# Altium PCB UltraZOhm_CarrierBoard.PcbDoc (part 4 of 12)
Units mm, origin at the board's own origin, x right, y up, seen from the top; angles counter-clockwise.
Board outline 350 x 128 mm, 6 copper layers (Top Layer, L02_GND, L03_Sig, L04_Sig, L05_VCC, Bottom Layer), stack 2.021 mm thick; 851 components, 1243 nets, 4332 pads, 2446 vias.
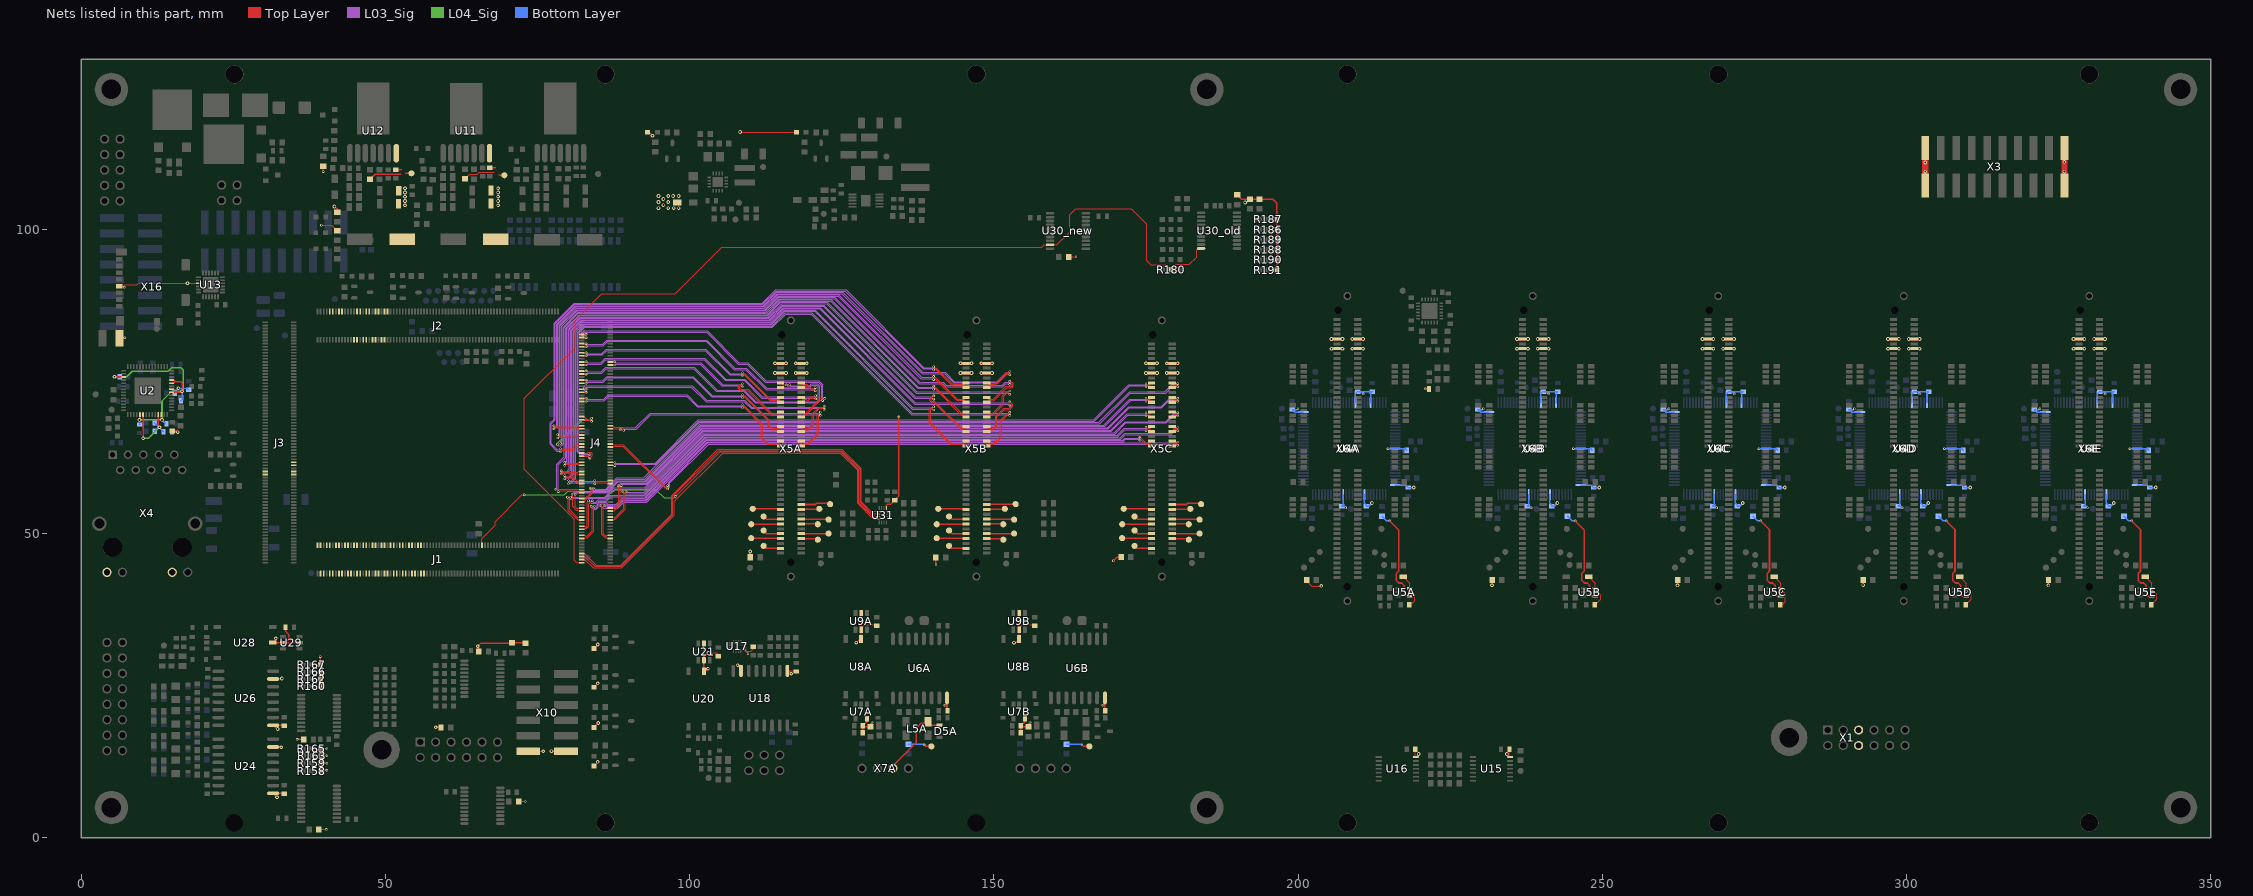
[diagram p8: the nets of this part, all layers, seen from the top]

## Via types
v1: diameter 0.4, hole 0.2, Top Layer to Bottom Layer, tented bottom, 866 vias
v2: diameter 0.4, hole 0.2, Top Layer to Bottom Layer, tented both sides, 783 vias
v3: diameter 0.6, hole 0.3, Top Layer to Bottom Layer, tented both sides, 508 vias
v4: diameter 0.6, hole 0.3, Top Layer to Bottom Layer, tented bottom, 276 vias
v5: diameter 0.5, hole 0.2, Top Layer to Bottom Layer, tented bottom, 5 vias
v6: diameter 0.5, hole 0.3, Top Layer to Bottom Layer, tented bottom, 5 vias
v7: diameter 1, hole 0.5, Top Layer to Bottom Layer, tented bottom, 2 vias
v8: diameter 0.4, hole 0.2, Top Layer to Bottom Layer, 1 vias

## Nets (pads, with @x,y where several pads share a name; then routed paths per layer and width w, separated by ;. In a path a pad name is that pad's centre, name@x,y a point inside that pad or via, vN(x,y) a via of type N, cw(c..) or ccw(c..) an arc to the next point about the centre after c; other vN are vias at no path point) (continued)
3V3_PER: C18.2 C19.1 C20.1 C26A.2 C26B.2 C26C.2 C26D.2 C26E.2 C27A.2 C27B.2 C27C.2 C27D.2 C27E.2 C28A.2 C28B.2 C28C.2 C28D.2 C28E.2 C29A.2 C29B.2 C29C.2 C29D.2 C29E.2 C30A.2 C30B.2 C30C.2 C30D.2 C30E.2 C31A.2 C31B.2 C31C.2 C31D.2 C31E.2 C32A.2 C32B.2 C32C.2 C32D.2 C32E.2 C33A.2 C33B.2 C33C.2 C33D.2 C33E.2 C38A.1 C38B.1 C56.1 C57.1 C58.2 C59.2 C72.2 C75.2 C76.2 C78.1 C79.2 C82.1 C96.2 C98.2 C103.1 C111.2 D4A.2 D4B.2 D4C.2 D4D.2 D4E.2 D16.2 D18.2 D24A.2 D24B.2 D24C.2 D24D.2 L2.2 L4.2 R32.1 R33.1 R35.1 R37.1 R39.1 R41.1 R43.1 R45.1 R86.2 R92.2 R98.2 R102.1 R103.1 R104.2 R149.2 R158.1 R159.1 R160.1 R162.1 R163.3 R165.3 R166.3 R167.3 R178.1 R179.1 R186.3 R187.3 R188.3 R189.3 R190.3 R191.3 R192.2 R211.2 R218.2 R224.2 R225.2 TP70.1 U2.36 U4A.25 U4A.40 U4A.45 U4A.63 U4A.75 U4A.83 U4A.90 U4B.25 U4B.40 U4B.45 U4B.63 U4B.75 U4B.83 U4B.90 U4C.25 U4C.40 U4C.45 U4C.63 U4C.75 U4C.83 U4C.90 U4D.25 U4D.40 U4D.45 U4D.63 U4D.75 U4D.83 U4D.90 U4E.25 U4E.40 U4E.45 U4E.63 U4E.75 U4E.83 U4E.90 U5A.5 U5B.5 U5C.5 U5D.5 U5E.5 U8A.2 U8B.2 U9A.2 U9A.5 U9B.2 U9B.5 U11.7 U13.21 U15.14 U16.14 U17.13 U18.1 U18.7 U20.2 U21.2 U21.5 U24.1 U24.7 U26.1 U26.7 U28.2 U29.2 U29.5 U31.13 X1.5 X1.6 X3.1 X3.10 X3.11 X3.20 X4.11 X4.13 X5A.13 X5A.14 X5B.13 X5B.14 X5C.13 X5C.14 X6A.13 X6A.14 X6B.13 X6B.14 X6C.13 X6C.14 X6D.13 X6D.14 X6E.13 X6E.14 X10.1 X10.7 X16.4 | length 355.3
  Top Layer w0.2: X16.4@6.29,90.692 6.892,90.692 ; C72.2@6.341,82.093 6.807,82.093 6.915,82.2 v2(7.2,82.2) ; v2(7.1,90.5) 6.908,90.692 6.892,90.692 ; U2.36@14.875,73.755 15.855,73.755 v4(16,73.9) ; U13.21@19.325,91.149 v4(17.5,91.149) 9.449,91.149 9.249,90.949 7.149,90.949 6.892,90.692 ; R149.2@39.1,1.4 v1(40.3,1.4) ; v1(39.5,100.7) 41.205,100.7 41.699,100.206 41.699,100.156 42.049,99.806 R92.2@42.099,99.806 ; v2(39.8,109.5) R224.2@39.8,110.4 ; R86.2@63.081,108.295 63.081,108.326 63.835,109.08 65.135,109.08 65.435,109.38 67.935,109.38 ; R225.2@71.9,6 v1(73,6) ; X10.1@73.488,14.25 v3(75.941,14.25) ; v3(77.318,14.275) 77.342,14.25 X10.7@79.711,14.25 ; D24A.2@84.289,11.825 84.9,12.436 v3(84.9,12.5) ; D24B.2@84.289,18.175 84.289,18.189 v3(85,18.9) ; D24C.2@84.289,24.779 84.9,25.39 v3(84.9,25.4) ; D24D.2@84.289,31.129 84.9,31.74 v3(84.9,31.8) ; D16.2@93.105,115.961 93.339,115.961 v4(93.9,115.4) ; U21.2@102.36,29.209 U21.2@102.36,29.66 ; U21.5@102.36,31.959 U21.2@102.36,29.66 ; C82.1@104.72,29.884 104.72,30.18 104.5,30.4 v3(103.1,30.4) U21.2@102.36,29.66 ; v4(108.3,116) 108.339,115.961 D18.2@117.539,115.961 ; v2(109.6,30.3) 109.2,30.7 ; v3(109.982,47.066) 109.999,47.049 R41.1@109.999,46.138 ; C78.1@110.488,31.411 110.488,31.088 110.1,30.7 109.2,30.7 ; U18.1@116.076,27.464 U18.1@116.236,27.464 ; v3(116.7,27) U18.1@116.236,27.464 ; C79.2@117.727,27.344 117.607,27.464 U18.1@116.236,27.464 ; v3(127.4,32.1) 127.996,32.696 U8A.2@128.202,32.696 U9A.2@128.202,34.461 ; U9A.5@128.202,36.967 U9A.2@128.202,34.461 ; C38A.1@130.742,34.892 130.623,35.011 128.753,35.011 U9A.2@128.202,34.461 ; v3(153.3,32.1) 153.558,32.1 U8B.2@154.155,32.696 U9B.2@154.155,34.461 ; U9B.5@154.155,36.967 U9B.2@154.155,34.461 ; C38B.1@156.695,34.892 156.575,35.011 154.705,35.011 U9B.2@154.155,34.461 ; R211.2@162.3,95.5 v1(163.5,95.5) ; R32.1@201.384,42.418 201.384,42.202 202.26,41.326 203.708,41.326 v3(203.81,41.427) ; D4A.2@217.271,42.945 218.355,41.861 v3@218.355,40.53 ; C26A.2@218.263,38.292 218.48,38.292 219.202,39.014 219.202,40.056 218.728,40.53 v3@218.355,40.53 ; v3(218.338,40.513) v3@218.355,40.53 ; C75.2@219.227,14.583 219.227,13.433 U16.14@219.347,13.313 219.347,13.347 v3(219.8,13.8) ; v2(220.9,73.8) 220.917,73.783 L2.2@221.513,73.783 ; v3(231.851,41.529) 231.864,41.542 R33.1@231.864,42.418 ; v3(234.3,13.8) 234.355,13.8 U15.14@234.721,13.433 ; C76.2@234.721,14.583 U15.14@234.721,13.433 ; U15.14@234.841,13.313 U15.14@234.721,13.433 ; D4B.2@247.751,42.945 248.835,41.861 v3@248.835,40.547 ; C26B.2@248.743,38.292 248.807,38.292 249.707,39.192 249.707,40.005 249.165,40.547 v3@248.835,40.547 ; v3(248.869,40.513) v3@248.835,40.547 ; v4(262.331,41.504) 262.344,41.516 R35.1@262.344,42.418 ; D4C.2@278.231,42.945 279.315,41.861 U5C.5@279.315,41.028 279.375,40.968 v3(279.375,40.564) 279.629,40.564 280.086,40.107 280.086,38.811 279.567,38.292 C26C.2@279.223,38.292 ; R37.1@292.824,42.418 292.824,41.567 v3(292.837,41.554) ; D4D.2@308.711,42.945 309.795,41.861 v3@309.795,40.547 ; C26D.2@309.703,38.292 310.617,39.206 310.617,40.056 310.125,40.547 v3@309.795,40.547 ; v3(309.804,40.538) v3@309.795,40.547 ; v3(323.291,41.504) 323.304,41.516 R39.1@323.304,42.418 ; D4E.2@339.191,42.945 340.275,41.861 340.275,40.53 v3(340.258,40.513) 340.639,40.513 341.097,40.056 341.097,39.206 C26E.2@340.183,38.292 ; 109.2,30.7 109.027,30.873 U17.13@108.996,30.873 109.169,30.7 109.2,30.7
  Top Layer w0.254: C18.2@14.999,66.912 15.688,66.912 v3(15.9,66.7) ; U24.7@31.566,14.959 32.841,14.959 v3(32.9,14.9) ; U26.7@31.566,26.135 32.935,26.135 v3(33,26.2) ; v4(32,32.8) 32,32.581 U28.2@31.509,32.091 U29.2@33.182,32.091 U29.2@33.541,32.091 ; v3(32.2,6.7) 32.2,6.705 U24.1@31.566,7.339 33.351,7.339 C96.2@33.416,7.274 ; v3(32.3,17.9) 32.181,17.9 U26.1@31.566,18.515 33.351,18.515 C98.2@33.416,18.45 ; C103.1@33.603,34.631 33.603,33.972 34.125,33.45 34.125,32.675 U29.2@33.541,32.091 ; v1(35.5,16.2) R218.2@36.6,16.2 ; U29.5@35.932,32.091 U29.2@33.541,32.091 ; v1(39.3,29.8) 39.325,29.775 R167.3@39.325,28.5 R166.3@39.325,27.3 39.325,24.984 R160.1@39.375,24.933 ; R163.3@39.325,13.5 v1(40.4,13.5) ; R165.3@39.325,14.7 v1(40.4,14.7) ; R158.1@39.375,11.1 v1(40.4,11.1) ; R159.1@39.375,12.267 v1(40.4,12.267) ; v3(58.3,18.2) 58.323,18.177 R98.2@59.149,18.177 ; R104.2@65.356,30.619 65.356,31.344 v3(65.2,31.5) 65.725,32.025 70.8,32.025 R102.1@70.825,32.05 72.975,32.05 R103.1@73.025,32 ; C57.1@67.171,110.125 67.98,110.125 68.035,110.18 ; 68.735,108.98 68.815,108.9 TP70.1@69.569,108.9 ; U21.2@102.36,29.209 U20.2@102.36,27.409 102.609,27.409 v3(103,27.8) ; v3(107.887,28.387) 108.013,28.387 108.456,27.944 U18.7@108.456,27.464 ; U31.13@132.35,54.21 132.35,54.664 132.499,54.813 133.009,54.813 C111.2@133.68,55.485 133.78,55.485 134.003,55.708 134.003,55.808 134.406,56.21 134.406,69.175 v1(134.391,69.19) ; R43.1@140.481,46.101 140.481,44.913 v1(140.487,44.907) ; v1(169.647,45.568) 170.228,46.149 170.857,46.149 R45.1@170.911,46.203 ; R192.2@190.001,105.661 190.691,104.972 R178.1@192.112,104.972 ; v3(191.286,104.428) 191.568,104.428 R178.1@192.112,104.972 ; R191.3@196.51,93.328 196.469,93.369 196.469,104.343 195.841,104.972 R179.1@193.636,104.972 R178.1@192.112,104.972
  Top Layer w0.5: v3(114.04,76.4) X5A.13@114.94,76.4 v3(115.84,76.4) ; v3(117.44,76.4) X5A.14@118.34,76.4 v3(119.24,76.4) ; v3(144.52,76.4) v3(146.32,76.4) ; v3(147.92,76.4) v3(149.72,76.4) ; v3(175,76.4) v3(176.8,76.4) ; v3(178.4,76.4) v3(180.2,76.4) ; v3(205.48,80.4) v3(207.28,80.4) ; v3(208.88,80.4) v3(210.68,80.4) ; v3(235.96,80.4) v3(237.76,80.4) ; v3(239.36,80.4) v3(241.16,80.4) ; v3(266.44,80.4) v3(268.24,80.4) ; v3(269.84,80.4) v3(271.64,80.4) ; v3(296.92,80.4) v3(298.72,80.4) ; v3(300.32,80.4) v3(302.12,80.4) ; v3(327.4,80.4) v3(329.2,80.4) ; v3(330.8,80.4) v3(332.6,80.4)
  Top Layer w1: X3.11@303.057,107.187 v3(303.057,109.5) v3(303.057,111) X3.1@303.057,113.41 ; X3.20@325.917,107.187 v3(325.917,109.5) X3.10@325.917,113.41
  Bottom Layer w0.2: L4.2@14.973,66.748 15.852,66.748 v3(15.9,66.7) ; C20.1@15.42,73.048 15.42,73.32 v4(16,73.9) 17.409,73.9 C19.1@17.666,73.643
  Bottom Layer w0.254: v1(199.974,70.536) 199.838,70.4 C27A.2@199.009,70.4 199.421,69.988 U4A.25@200.857,69.988 ; U4A.90@207.407,56.438 207.407,54.798 C33A.2@207.137,54.528 207.55,54.528 v2(207.797,54.28) ; U4A.40@209.407,71.538 209.4,71.544 209.4,72.975 C28A.2@209.773,73.348 210.32,73.348 ; v2(210.693,72.974) 210.32,73.348 ; U4A.83@210.907,56.438 210.9,56.431 210.9,55 211.201,54.699 C32A.2@211.201,54.528 211.601,54.528 v3(212.115,55.042) ; U4A.45@211.907,71.538 211.9,71.544 211.9,73.031 C29A.2@212.217,73.348 210.32,73.348 ; v1(214.757,63.983) 214.762,63.988 217.613,63.988 C30A.2@217.867,63.734 ; U4A.75@215.957,57.988 217.647,57.988 C31A.2@218.059,57.576 218.993,57.576 v4(218.999,57.582) ; v1(230.454,70.536) 230.318,70.4 C27B.2@229.489,70.4 229.901,69.988 U4B.25@231.337,69.988 ; U4B.90@237.887,56.438 237.887,54.798 C33B.2@237.617,54.528 238.03,54.528 v2(238.277,54.28) ; U4B.40@239.887,71.538 239.88,71.544 239.88,72.975 C28B.2@240.253,73.348 240.8,73.348 ; v2(241.173,72.974) 240.8,73.348 ; U4B.83@241.387,56.438 241.38,56.431 241.38,55 241.681,54.699 C32B.2@241.681,54.528 242.081,54.528 v3(242.595,55.042) ; U4B.45@242.387,71.538 242.38,71.544 242.38,73.031 C29B.2@242.697,73.348 240.8,73.348 ; v1(245.237,63.983) 245.242,63.988 248.093,63.988 C30B.2@248.347,63.734 ; U4B.75@246.437,57.988 248.127,57.988 C31B.2@248.539,57.576 249.473,57.576 v4(249.479,57.582) ; v1(260.934,70.536) 260.798,70.4 C27C.2@259.969,70.4 260.381,69.988 U4C.25@261.817,69.988 ; U4C.90@268.367,56.438 268.367,54.798 C33C.2@268.097,54.528 268.51,54.528 v2(268.757,54.28) ; U4C.40@270.367,71.538 270.36,71.544 270.36,72.975 C28C.2@270.733,73.348 271.28,73.348 ; v2(271.653,72.974) 271.28,73.348 ; U4C.83@271.867,56.438 271.86,56.431 271.86,55 272.161,54.699 C32C.2@272.161,54.528 272.561,54.528 v3(273.075,55.042) ; U4C.45@272.867,71.538 272.86,71.544 272.86,73.031 C29C.2@273.177,73.348 271.28,73.348 ; v1(275.717,63.983) 275.722,63.988 278.573,63.988 C30C.2@278.827,63.734 ; U4C.75@276.917,57.988 278.607,57.988 C31C.2@279.019,57.576 279.953,57.576 v4(279.959,57.582) ; v1(291.414,70.536) 291.278,70.4 C27D.2@290.449,70.4 290.861,69.988 U4D.25@292.297,69.988 ; U4D.90@298.847,56.438 298.847,54.798 C33D.2@298.577,54.528 298.99,54.528 v2(299.237,54.28) ; U4D.40@300.847,71.538 300.84,71.544 300.84,72.975 C28D.2@301.213,73.348 301.76,73.348 ; v2(302.133,72.974) 301.76,73.348 ; U4D.83@302.347,56.438 302.34,56.431 302.34,55 302.641,54.699 C32D.2@302.641,54.528 303.041,54.528 v3(303.555,55.042) ; U4D.45@303.347,71.538 303.34,71.544 303.34,73.031 C29D.2@303.657,73.348 301.76,73.348 ; v1(306.197,63.983) 306.202,63.988 309.053,63.988 C30D.2@309.307,63.734 ; U4D.75@307.397,57.988 309.087,57.988 C31D.2@309.499,57.576 310.433,57.576 v4(310.439,57.582) ; v1(321.894,70.536) 321.758,70.4 C27E.2@320.929,70.4 321.341,69.988 U4E.25@322.777,69.988 ; U4E.90@329.327,56.438 329.327,54.798 C33E.2@329.057,54.528 329.47,54.528 v2(329.717,54.28) ; U4E.40@331.327,71.538 331.32,71.544 331.32,72.975 C28E.2@331.693,73.348 332.24,73.348 ; v2(332.613,72.974) 332.24,73.348 ; U4E.83@332.827,56.438 332.82,56.431 332.82,55 333.121,54.699 C32E.2@333.121,54.528 333.521,54.528 v3(334.035,55.042) ; U4E.45@333.827,71.538 333.82,71.544 333.82,73.031 C29E.2@334.137,73.348 332.24,73.348 ; v1(336.677,63.983) 336.682,63.988 339.533,63.988 C30E.2@339.787,63.734 ; U4E.75@337.877,57.988 339.567,57.988 C31E.2@339.979,57.576 340.913,57.576 v4(340.919,57.582)
  other v3: 68.535,103.98 68.535,104.68 68.535,105.38 68.535,106.08 68.535,106.78 325.9,111.1
5V_ISOCANA: C35A.2 C37A.2 C40A.1 R78A.1 R80A.2 TP68A.1 U6A.16 U7A.5 | length 11.2
  Top Layer w0.254: C40A.1@128.461,17.27 C37A.2@128.461,18.415 ; U7A.5@129.152,19.558 129.152,19.106 C37A.2@128.461,18.415 ; v2(129.997,18.974) 129.707,18.684 R80A.2@129.707,18.271 128.605,18.271 C37A.2@128.461,18.415 ; v2(138.532,15.291) 138.768,15.054 TP68A.1@139.739,15.054 ; v2(141.961,21.819) U6A.16@142.299,22.157 ; U6A.16@142.299,23.02 U6A.16@142.299,22.157 ; C35A.2@142.364,20.933 142.299,20.998 U6A.16@142.299,22.157
  Bottom Layer w0.254: R78A.1@135.975,15.437 138.386,15.437 v2(138.532,15.291)
5V_ISOCANB: C35B.2 C37B.2 C40B.1 R78B.1 R80B.2 TP68B.1 U6B.16 U7B.5 | length 11.2
  Top Layer w0.254: C40B.1@154.413,17.271 C37B.2@154.413,18.415 ; U7B.5@155.105,19.558 155.105,19.107 C37B.2@154.413,18.415 ; v2(155.949,18.974) 155.659,18.684 R80B.2@155.659,18.271 154.557,18.271 C37B.2@154.413,18.415 ; v2(164.484,15.291) 164.721,15.054 TP68B.1@165.691,15.054 ; v2(167.913,21.819) U6B.16@168.252,22.158 ; U6B.16@168.252,23.02 U6B.16@168.252,22.158 ; C35B.2@168.317,20.933 168.252,20.998 U6B.16@168.252,22.158
  Bottom Layer w0.254: R78B.1@161.927,15.437 164.338,15.437 v2(164.484,15.291)
5V_PER: C66.1 C67.1 C68.2 C69.2 L9.1 R90.2 R93.2 TP71.1 U12.7 X5A.9 X5A.10 X5B.9 X5B.10 X5C.9 X5C.10 X6A.9 X6A.10 X6B.9 X6B.10 X6C.9 X6C.10 X6D.9 X6D.10 X6E.9 X6E.10 | length 37.3
  Top Layer w0.254: v4(41.635,103.78) 42.099,103.316 R93.2@42.099,102.854 ; R90.2@47.485,108.213 48.352,109.08 52.535,109.08 ; C67.1@51.681,109.805 52.61,109.805 52.635,109.78 ; 53.335,109.18 53.38,109.225 TP71.1@54.293,109.225
  Top Layer w0.5: v3(114.04,78) X5A.9@114.94,78 v3(115.84,78) ; v3(117.44,78) X5A.10@118.34,78 v3(119.24,78) ; v3(144.52,78) X5B.9@145.42,78 v3(146.32,78) ; v3(147.92,78) X5B.10@148.82,78 v3(149.72,78) ; v3(175,78) X5C.9@175.9,78 v3(176.8,78) ; v3(178.4,78) X5C.10@179.3,78 v3(180.2,78) ; v3(205.48,82) X6A.9@206.38,82 v3(207.28,82) ; v3(208.88,82) X6A.10@209.78,82 v3(210.68,82) ; v3(235.96,82) X6B.9@236.86,82 v3(237.76,82) ; v3(239.36,82) X6B.10@240.26,82 v3(241.16,82) ; v3(266.44,82) X6C.9@267.34,82 v3(268.24,82) ; v3(269.84,82) X6C.10@270.74,82 v3(271.64,82) ; v3(296.92,82) X6D.9@297.82,82 v3(298.72,82) ; v3(300.32,82) X6D.10@301.22,82 v3(302.12,82) ; v3(327.4,82) X6E.9@328.3,82 v3(329.2,82) ; v3(330.8,82) X6E.10@331.7,82 v3(332.6,82)
  other v3: 94.9,103.5 96.5,103.5 97.4,103.5 98.2,103.5 53.235,103.98 95.7,104 94.9,104.5 96.5,104.5 53.235,104.68 95.7,105 53.235,105.38 94.9,105.5 96.5,105.5 97.3,105.5 98.2,105.5 53.235,106.08 53.235,106.78
/PILOT_INA: R73A.1 U5A.4 | length 16.2
  Top Layer w0.254: v1(215.05,52.1) 216.5,50.65 216.5,43.85 216.15,43.5 216.15,42.3 216.55,41.9 217.05,41.9 217.45,41.5 217.45,40.05 217.772,39.728 U5A.4@218.355,39.728
  Bottom Layer w0.254: R73A.1@213.791,52.87 214.56,52.1 v1(215.05,52.1)
/PILOT_INB: R73B.1 U5B.4 | length 16.2
  Top Layer w0.254: v1(245.53,52.1) 246.98,50.65 246.98,43.85 246.63,43.5 246.63,42.3 247.03,41.9 247.53,41.9 247.93,41.5 247.93,40.05 248.252,39.728 U5B.4@248.835,39.728
  Bottom Layer w0.254: R73B.1@244.271,52.87 245.04,52.1 v1(245.53,52.1)
/PILOT_INC: R73C.1 U5C.4 | length 16.2
  Top Layer w0.254: v1(276.01,52.1) 277.46,50.65 277.46,43.85 277.11,43.5 277.11,42.3 277.51,41.9 278.01,41.9 278.41,41.5 278.41,40.05 278.732,39.728 U5C.4@279.315,39.728
  Bottom Layer w0.254: R73C.1@274.751,52.87 275.52,52.1 v1(276.01,52.1)
/PILOT_IND: R73D.1 U5D.4 | length 16.2
  Top Layer w0.254: v1(306.49,52.1) 307.94,50.65 307.94,43.85 307.59,43.5 307.59,42.3 307.99,41.9 308.49,41.9 308.89,41.5 308.89,40.05 309.212,39.728 U5D.4@309.795,39.728
  Bottom Layer w0.254: R73D.1@305.231,52.87 306,52.1 v1(306.49,52.1)
/PILOT_INE: R73E.1 U5E.4 | length 16.2
  Top Layer w0.254: v1(336.97,52.1) 338.42,50.65 338.42,43.85 338.07,43.5 338.07,42.3 338.47,41.9 338.97,41.9 339.37,41.5 339.37,40.05 339.692,39.728 U5E.4@340.275,39.728
  Bottom Layer w0.254: R73E.1@335.711,52.87 336.48,52.1 v1(336.97,52.1)
ANL_01_N1: J4.126 X5A.19 | length 51.5
  Top Layer w0.1: J4.126@82.287,76.236 82.99,76.236 v2(83,76.226) ; X5A.19@114.94,74 115.017,74.077 116.079,74.077 116.459,74.458 v2(116.459,74.524)
  L03_Sig w0.1: v2(83,76.226) 83.15,76.376 85.587,76.376 86.311,77.1 100.7,77.1 104.42,73.38 108.92,73.38 110.82,71.48 121.093,71.48 121.403,71.791 121.403,74.234 120.995,74.642 120,74.642 119.707,74.349 116.634,74.349 v2(116.459,74.524)
ANL_01_N2: J4.80 X5B.19 | length 102.2
  Top Layer w0.1: v1(78.791,63.957) 80.747,63.957 81.525,64.736 J4.80@82.287,64.736 ; v1(140.1,76.93) 140.25,77.08 140.4,77.08 143.18,74.3 145.2,74.3 145.37,74.13 145.37,74.05 X5B.19@145.42,74
  L03_Sig w0.1: v1(78.791,63.957) 78.641,63.807 78.638,63.807 78.635,63.805 78.283,63.805 77.292,64.795 77.292,68.101 77.94,68.749 77.94,84.486 81.134,87.68 112.034,87.68 114.234,89.88 125.62,89.88 138.42,77.08 139.95,77.08 v1(140.1,76.93)
ANL_01_N3: J4.65 X5C.19 | length 94.6
  Top Layer w0.1: J4.65@86.957,61.236 87.664,61.236 v2(87.7,61.2) ; v2(175,74.13) 175.15,74.28 175.62,74.28 X5C.19@175.9,74
  L03_Sig w0.1: v2(87.7,61.2) 87.743,61.2 87.935,61.392 94.457,61.392 101.545,68.48 166.491,68.48 172.291,74.28 174.85,74.28 v2(175,74.13)
ANL_01_P1: J4.128 X5A.17 | length 50.7
  Top Layer w0.1: J4.128@82.287,76.736 82.99,76.736 v2(83,76.746) ; X5A.17@114.94,74.8 115.293,74.447 v2(115.926,74.447)
  L03_Sig w0.1: v2(83,76.746) 83.15,76.596 85.496,76.596 86.22,77.32 100.791,77.32 104.511,73.6 109.011,73.6 110.911,71.7 121.001,71.7 121.183,71.882 121.183,74.143 120.904,74.422 120.091,74.422 119.798,74.129 116.244,74.129 v2(115.926,74.447)
ANL_01_P2: J4.78 X5B.17 | length 102.9
  Top Layer w0.1: v1(78.791,63.437) 78.821,63.437 79.121,63.737 80.838,63.737 81.337,64.236 J4.78@82.287,64.236 ; v1(140.1,77.45) 140.25,77.3 140.491,77.3 143.271,74.52 145.2,74.52 145.37,74.69 145.37,74.75 X5B.17@145.42,74.8
  L03_Sig w0.1: v1(78.791,63.437) 78.643,63.585 78.192,63.585 77.072,64.704 77.072,68.192 77.72,68.84 77.72,84.577 81.043,87.9 111.943,87.9 114.143,90.1 125.711,90.1 138.511,77.3 139.95,77.3 v1(140.1,77.45)
ANL_01_P3: J4.67 X5C.17 | length 94.6
  Top Layer w0.1: J4.67@86.957,61.736 87.664,61.736 v2(87.7,61.7) ; v2(175,74.65) 175.15,74.5 175.6,74.5 X5C.17@175.9,74.8
  L03_Sig w0.1: v2(87.7,61.7) 87.788,61.612 94.366,61.612 101.454,68.7 166.4,68.7 172.2,74.5 174.85,74.5 v2(175,74.65)
ANL_02_N1: J4.144 X5A.20 | length 44.8
  Top Layer w0.1: J4.144@82.287,80.736 82.99,80.736 v2(83,80.726) ; X5A.20@118.34,74 118.581,74.241 119.301,74.241 119.898,73.643 120.5,73.643 v1(120.65,73.493)
  L03_Sig w0.1: v2(83,80.726) 83.15,80.876 85.787,80.876 86.511,81.6 102.7,81.6 107.32,76.98 109.22,76.98 112.557,73.643 120.5,73.643 v1(120.65,73.493)
ANL_02_N2: J4.90 X5B.20 | length 110.1
  Top Layer w0.1: v1(77.7,67.226) 77.85,67.376 81.632,67.376 81.772,67.236 J4.90@82.287,67.236 ; X5B.20@148.82,74 148.87,74.05 148.87,74.07 149.1,74.3 150.12,74.3 152.1,76.28 152.45,76.28 v1(152.6,76.13)
  L03_Sig w0.1: v1(77.7,67.226) 77.85,67.376 77.991,67.376 78.36,67.745 78.36,84.312 81.308,87.26 112.208,87.26 114.408,89.46 125.04,89.46 138.22,76.28 141.909,76.28 143.409,74.78 150.691,74.78 152.191,76.28 152.45,76.28 v1(152.6,76.13)
ANL_02_N3: J4.44 X5C.20 | length 107.7
  Top Layer w0.1: J4.44@82.287,55.736 82.802,55.736 83.8,56.734 83.8,57.35 v1(83.65,57.5) ; X5C.20@179.3,74 179.35,74.05 179.6,74.3 180.05,74.3 v2(180.2,74.15)
  L03_Sig w0.1: v1(83.65,57.5) 83.65,57.497 84.027,57.12 86.3,57.12 88.12,58.94 92.599,58.94 101.719,68.06 167.36,68.06 172.4,73.1 178.211,73.1 179.411,74.3 180.05,74.3 v2(180.2,74.15)
ANL_02_P1: J4.146 X5A.18 | length 44.8
  Top Layer w0.1: J4.146@82.287,81.236 82.99,81.236 v2(83,81.246) ; X5A.18@118.34,74.8 118.566,74.574 119.278,74.574 119.99,73.863 120.5,73.863 v1(120.65,74.013)
  L03_Sig w0.1: v2(83,81.246) 83.15,81.096 85.696,81.096 86.42,81.82 102.791,81.82 107.411,77.2 109.311,77.2 112.648,73.863 120.5,73.863 v1(120.65,74.013)
ANL_02_P2: J4.92 X5B.18 | length 110.1
  Top Layer w0.1: v1(77.7,67.746) 77.85,67.596 81.632,67.596 81.772,67.736 J4.92@82.287,67.736 ; X5B.18@148.82,74.8 148.87,74.75 149.1,74.52 150.029,74.52 152.009,76.5 152.45,76.5 v1(152.6,76.65)
  L03_Sig w0.1: v1(77.7,67.746) 77.85,67.596 77.9,67.596 78.14,67.836 78.14,84.403 81.217,87.48 112.117,87.48 114.317,89.68 125.131,89.68 138.311,76.5 142,76.5 143.5,75 150.6,75 152.1,76.5 152.45,76.5 v1(152.6,76.65)
ANL_02_P3: J4.42 X5C.18 | length 107.6
  Top Layer w0.1: J4.42@82.287,55.236 82.487,55.436 82.813,55.436 84.02,56.643 84.02,57.35 v1(84.17,57.5) ; X5C.18@179.3,74.8 179.58,74.52 180.05,74.52 v2(180.2,74.67)
  L03_Sig w0.1: v1(84.17,57.5) 84.3,57.5 84.46,57.34 86.209,57.34 88.029,59.16 92.508,59.16 101.628,68.28 167.269,68.28 172.309,73.32 178.12,73.32 179.32,74.52 180.05,74.52 v2(180.2,74.67)
ANL_03_N1: J4.138 X5A.25 | length 36.7
  Top Layer w0.1: J4.138@82.287,79.236 82.99,79.236 v2(83,79.226) ; v1(108.7,75.93) 108.85,76.08 109,76.08 113.18,71.9 114.7,71.9 114.89,71.71 114.89,71.65 X5A.25@114.94,71.6
  L03_Sig w0.1: v2(83,79.226) 83.15,79.376 85.687,79.376 86.411,80.1 102.6,80.1 106.62,76.08 108.55,76.08 v1(108.7,75.93)
ANL_03_N2: J4.84 X5B.25 | length 98.8
  Top Layer w0.1: v1(78.3,65.726) 78.45,65.876 81.632,65.876 81.772,65.736 J4.84@82.287,65.736 ; v1(140.1,75.33) 140.25,75.48 140.3,75.48 143.88,71.9 145.12,71.9 X5B.25@145.42,71.6
  L03_Sig w0.1: v1(78.3,65.726) 78.45,65.876 78.591,65.876 78.78,66.065 78.78,84.138 81.482,86.84 112.382,86.84 114.582,89.04 124.46,89.04 138.02,75.48 139.95,75.48 v1(140.1,75.33)
ANL_03_N3: J4.38 X5C.25 | length 104.7
  Top Layer w0.1: v1(81.2,56.5) 81.2,54.396 81.5,54.096 81.632,54.096 81.772,54.236 J4.38@82.287,54.236 ; v2(175,71.75) 175.15,71.9 175.6,71.9 175.85,71.65 X5C.25@175.9,71.6
  L03_Sig w0.1: v1(81.2,56.5) 81.4,56.7 86.474,56.7 88.294,58.52 92.773,58.52 101.893,67.64 168.2,67.64 172.46,71.9 174.85,71.9 v2(175,71.75)
ANL_03_P1: J4.140 X5A.23 | length 36.7
  Top Layer w0.1: J4.140@82.287,79.736 82.99,79.736 v2(83,79.746) ; v1(108.7,76.45) 108.85,76.3 109.091,76.3 113.271,72.12 114.7,72.12 114.89,72.31 114.89,72.35 X5A.23@114.94,72.4
  L03_Sig w0.1: v2(83,79.746) 83.15,79.596 85.596,79.596 86.32,80.32 102.691,80.32 106.711,76.3 108.55,76.3 v1(108.7,76.45)
ANL_03_P2: J4.86 X5B.23 | length 98.8
  Top Layer w0.1: v1(78.3,66.246) 78.45,66.096 81.632,66.096 81.772,66.236 J4.86@82.287,66.236 ; v1(140.1,75.85) 140.25,75.7 140.391,75.7 143.971,72.12 145.14,72.12 X5B.23@145.42,72.4
  L03_Sig w0.1: v1(78.3,66.246) 78.45,66.096 78.5,66.096 78.56,66.156 78.56,84.229 81.391,87.06 112.291,87.06 114.491,89.26 124.551,89.26 138.111,75.7 139.95,75.7 v1(140.1,75.85)